# Allegro board LAY-31407_C2.brd (continued)
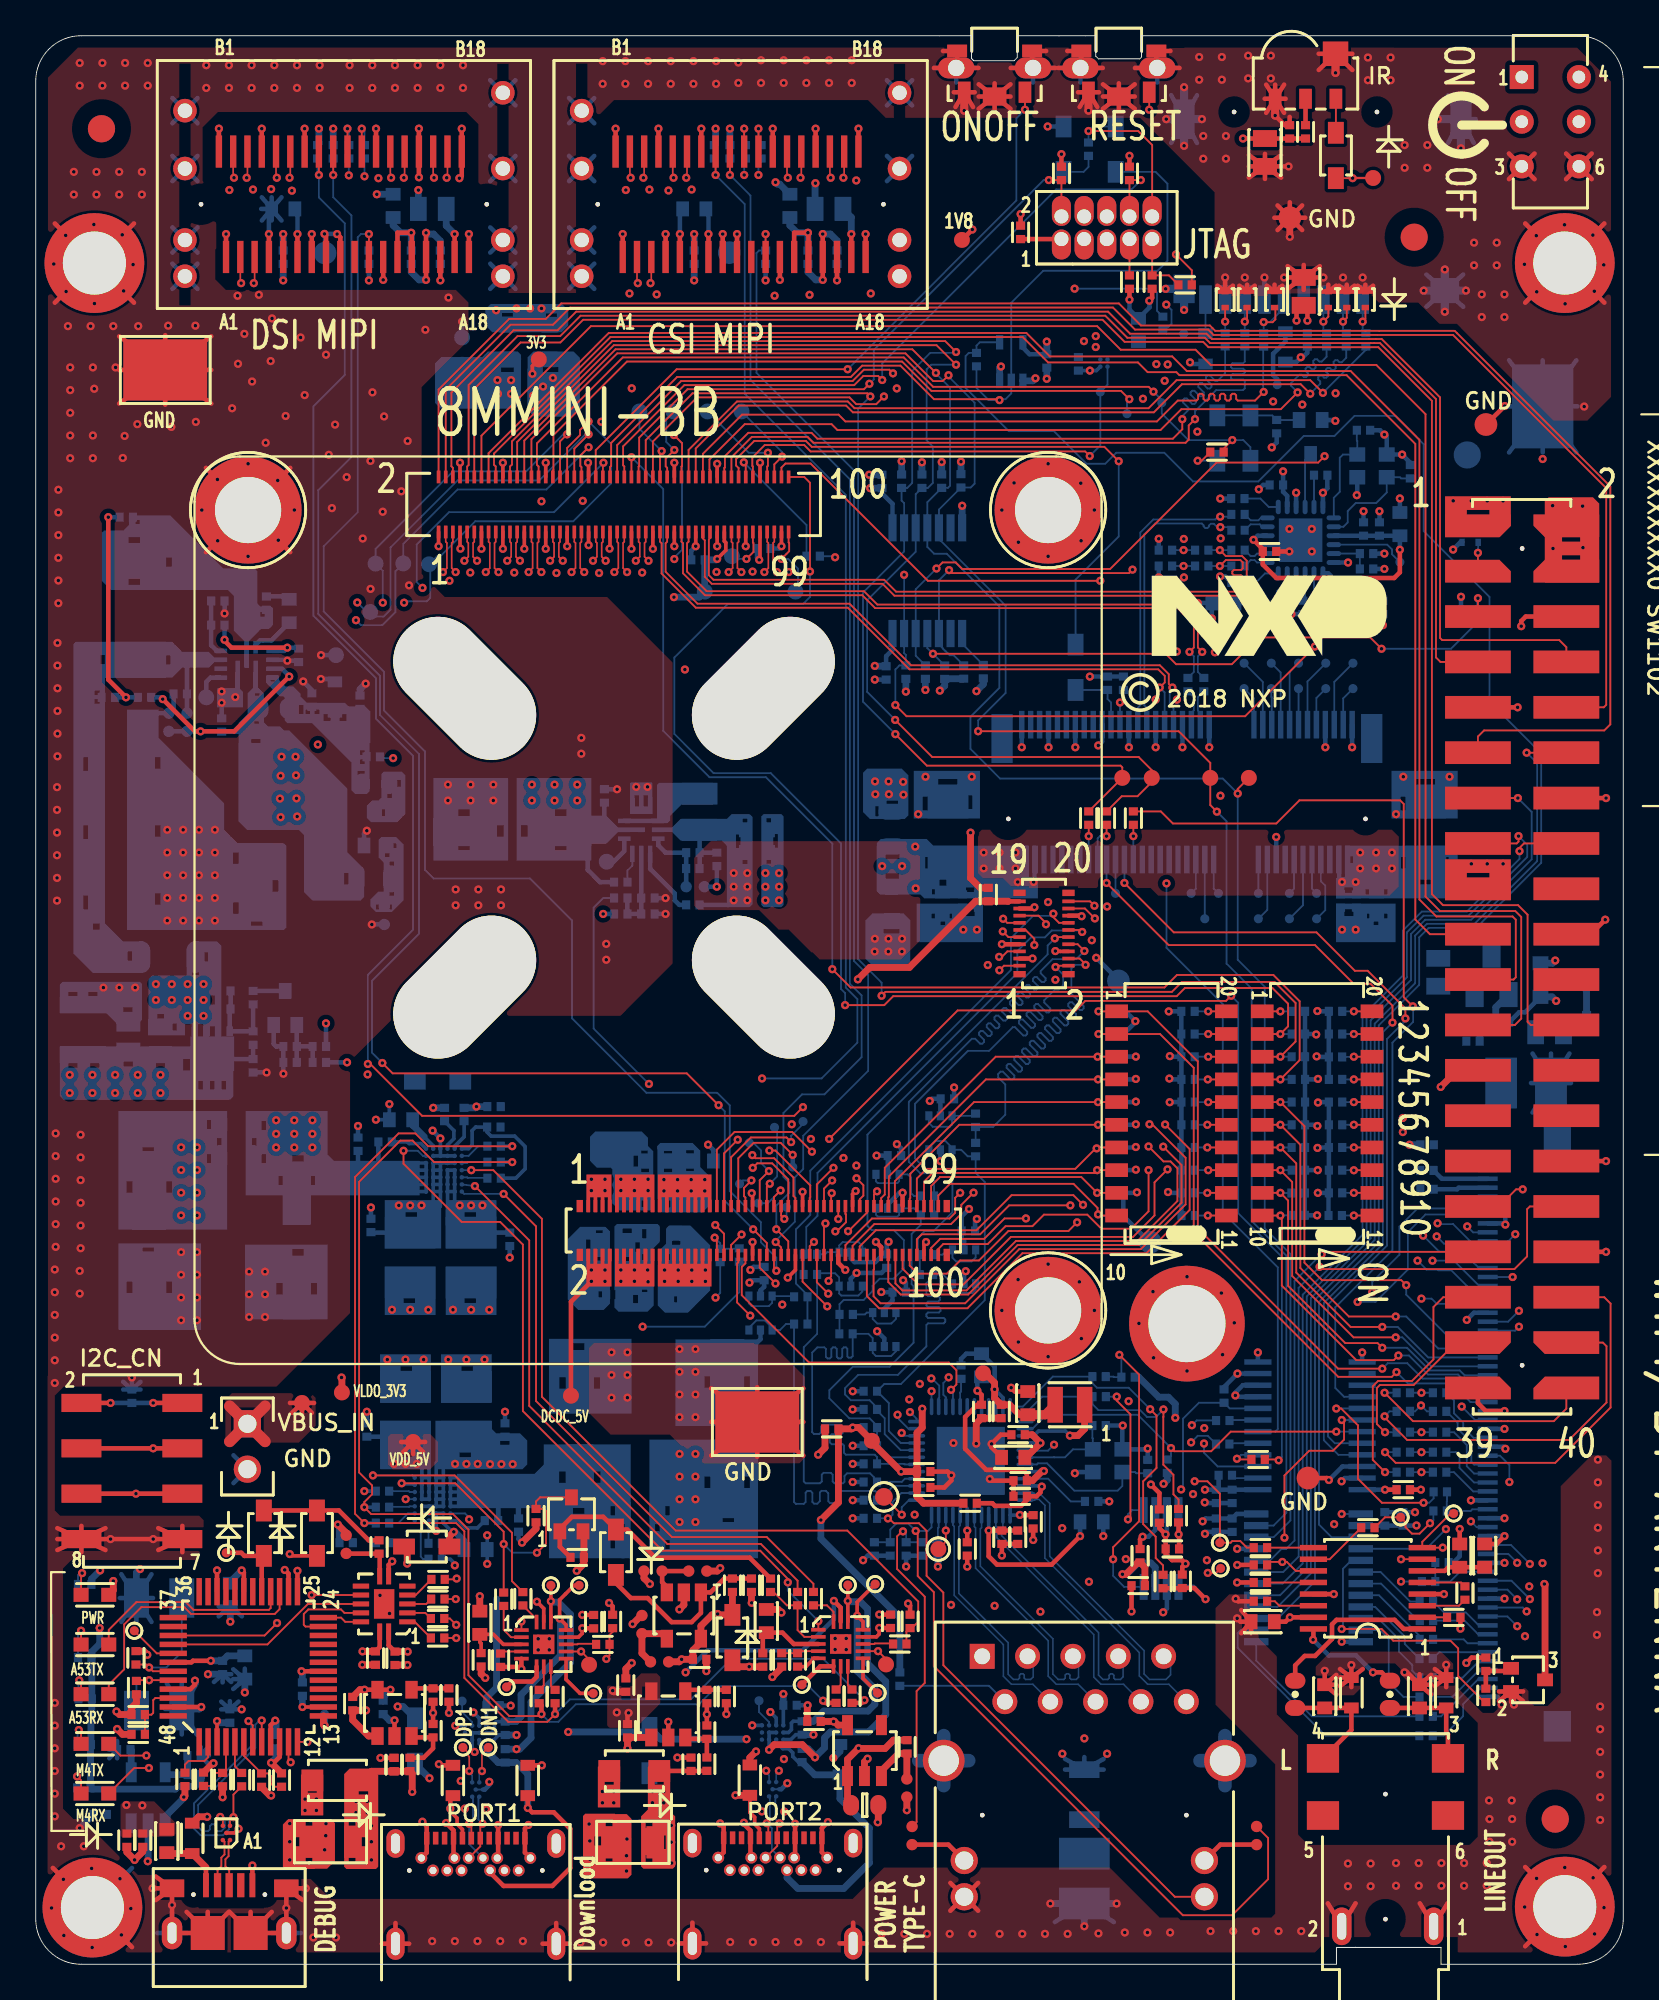
[diagram p0: board, top side]
## Routing (per net, layer and track width the routed paths; a pad name or vN(x,y) marks a point on that pad's centre or on a via; arc(x,y) is an arc through that point) (continued)
  BOTTOM w0.102: R531.1 50.31,43 R539.1 50.3,44.18 50.2,44.28 49.53,44.28 48.89,44.92 48.89,48.27 52.42,51.81 52.61,51.81 52.88,51.53 53.01,51.53 53.1,51.62 53.1,51.75 52.82,52.02 52.82,52.15 52.91,52.24 53.04,52.24 53.32,51.96 53.44,51.96 53.53,52.05 53.53,52.18 53.26,52.45 53.26,52.58 53.35,52.67 53.47,52.67 53.75,52.39 53.87,52.39 53.96,52.48 53.96,52.61 53.69,52.88 53.69,53.01 53.78,53.1 53.9,53.1 54.18,52.82 54.3,52.82 54.39,52.91 54.39,53.04 54.12,53.32 54.12,53.44 54.21,53.53 54.33,53.53 54.61,53.26 54.73,53.26 54.82,53.35 54.82,53.47 54.55,53.75 54.55,53.87 54.64,53.96 54.77,53.96 55.04,53.69 55.17,53.69 55.26,53.78 55.26,53.9 54.98,54.18 54.98,54.3 55.07,54.39 55.2,54.39 55.47,54.12 55.6,54.12 55.69,54.21 55.69,54.33 55.41,54.61 55.41,54.74 55.5,54.83 55.63,54.83 55.9,54.55 56.03,54.55 56.12,54.64 56.12,54.77 55.84,55.04 55.84,55.17 55.93,55.26 56.06,55.26 56.33,54.98 56.46,54.98 56.55,55.07 56.55,55.2 56.27,55.47 56.27,55.6 56.94,56.26 58.27,56.26 v1(58.72,56.72)
ENET_RD0_BUFIN: length 24.1
  BOTTOM w0.102: U501.31 47.76,28.38 R517.1 R516.1 47.11,30.14 46.7,30.56 45.56,30.56 44.44,31.68 44.44,32.13 45.76,33.45 47.81,33.45 49.16,34.79 49.16,37.96 49.05,38.07 49.05,40.88 49.56,41.4 R531.2 49.18,42.32 U502.1 48.35,41.95 48.25,41.85 47.15,41.85 47.05,41.95 U502.3
ENET_RD1: length 31.5
  TOP w0.102: v1(57.07,57.43) 57.14,57.5 J203.10
  BOTTOM w0.102: v1(57.07,57.43) 56.66,57.02 56.66,56.53 46.57,46.44 46.57,41.34 46.82,41.09 48.06,41.09 48.62,40.53 48.62,38.95 48.03,38.37 47.26,38.37 46.86,37.98 46.86,37.68 46.36,37.18 45.25,37.18 45.01,36.95 R540.1 45.01,35.3 R532.1
ENET_RD1_BUFIN: length 24
  BOTTOM w0.102: U501.30 48.67,27.98 48.64,28.01 R518.1 47.11,28.4 46.98,28.52 45.36,28.52 45.26,28.63 45.26,29.03 45.19,29.11 44.57,29.11 44.47,29.21 44.47,29.57 44.57,29.67 45.11,29.67 45.19,29.74 45.19,30.1 45.09,30.2 44.08,30.2 43.98,30.1 43.98,29.78 43.88,29.68 43.58,29.68 43.48,29.78 43.48,34.24 43.78,34.53 44.16,34.53 44.25,34.44 44.25,34 44.34,33.91 44.46,33.91 44.55,34 44.55,34.44 44.64,34.53 44.77,34.53 44.86,34.44 44.86,34 44.95,33.91 45.07,33.91 45.16,34 45.16,34.44 45.25,34.53 45.37,34.53 45.45,34.45 45.45,34.03 45.52,33.96 45.66,33.96 45.75,34.04 R532.2 46.63,35.29 46.87,35.05 U504.3 46.87,34.22 47.05,34.04 47.9,34.04 48.17,34.32 U504.1
ENET_RD2: length 28
  TOP w0.102: J203.12 58.49,57.9 v1(58.6,57.79)
  BOTTOM w0.102: R533.1 43,38.61 R541.1 43.15,39.88 43.15,41.27 43.78,41.9 43.78,44.3 54.97,55.49 54.97,56.71 55.74,57.48 56.51,57.48 56.89,57.87 58.52,57.87 v1(58.6,57.79)
ENET_RD2_BUFIN: length 24
  BOTTOM w0.102: U501.28 48.67,27.18 48.5,27.01 47.12,27.01 R522.1 46.93,27.17 46.93,27.27 46.72,27.48 45.44,27.48 45.29,27.33 45.29,27 45.21,26.92 44.73,26.92 44.63,27.03 44.63,27.41 44.53,27.51 44.12,27.51 44.02,27.41 44.02,27.03 43.92,26.92 43.11,26.92 43.01,27.03 43.01,34.54 43.76,35.29 43.76,37.87 43.75,37.87 R533.2 43.82,38.68 44.76,38.68 44.99,38.45 U503.3 44.99,37.55 45.11,37.43 46.06,37.43 46.29,37.66 U503.1
ENET_RD3: length 31
  TOP w0.102: J203.14 57.3,58.3 56.98,58.61 v1(56.98,58.81)
  BOTTOM w0.102: R534.1 43.22,37.36 R543.1 43.22,37.46 42.57,38.11 42.57,41.14 43.37,41.94 43.37,44.42 54.61,55.66 54.61,57.45 55.85,58.69 56.86,58.69 v1(56.98,58.81)
ENET_RD3_BUFIN: length 24
  BOTTOM w0.102: U505.3 39.93,35.62 40.36,36.04 40.83,36.04 41.23,35.63 U505.1 41.68,35.5 42.01,35.84 R534.2 42.47,25.87 42.57,25.77 43.01,25.77 43.11,25.87 43.11,26.4 43.21,26.49 43.39,26.49 43.49,26.39 43.49,25.88 43.59,25.78 43.77,25.78 43.91,25.92 43.91,26.41 44,26.5 44.25,26.5 44.38,26.37 44.38,25.92 44.48,25.82 44.73,25.82 44.82,25.9 44.82,26.32 44.99,26.49 47.01,26.49 47.11,26.39 R524.1 47.57,25.98 47.79,26.2 47.79,26.53 48.04,26.78 U501.27
ENET_RX_CTL: length 30.9
  TOP w0.102: J203.2 57.18,55.9 v1(57.11,55.82)
  BOTTOM w0.102: v1(57.11,55.82) 57.53,55.4 57.53,54.8 57.3,54.56 57.08,54.56 56.48,53.96 56.48,53.84 56.81,53.5 56.81,53.37 56.73,53.28 56.6,53.28 56.13,53.75 56.01,53.75 55.92,53.66 55.92,53.53 56.38,53.06 56.38,52.94 56.29,52.85 56.17,52.85 55.7,53.32 55.57,53.32 55.49,53.23 55.49,53.1 55.95,52.63 55.95,52.51 55.86,52.42 55.74,52.42 55.27,52.89 55.14,52.89 55.05,52.8 55.05,52.67 55.52,52.2 55.52,52.08 55.43,51.99 55.31,51.99 54.84,52.45 54.71,52.45 53.39,51.13 52.2,51.13 49.24,48.16 49.24,45.11 49.84,44.51 51.01,44.51 51.33,44.18 51.33,42.09 50.28,41.04 49.78,41.04 49.4,40.66 49.4,39.83 R544.1 49.51,39.71 R535.1
ENET_RX_CTL_BUFIN: length 24
  BOTTOM w0.102: U501.32 48.44,28.78 47.54,29.67 47.54,30.56 47.11,30.99 R521.1 47.11,31.15 46.69,31.57 45.64,31.57 45.32,31.89 45.32,32.25 46.06,32.99 48.28,32.99 49.88,34.59 49.88,35.78 49.96,35.87 50.84,35.87 50.93,35.96 50.93,36.09 50.84,36.18 49.96,36.18 49.88,36.27 49.88,36.39 49.96,36.48 50.58,36.48 50.67,36.57 50.67,36.7 50.58,36.79 49.96,36.79 49.88,36.88 49.88,37 49.96,37.09 50.54,37.09 50.63,37.18 50.63,37.31 50.54,37.4 49.96,37.4 49.88,37.49 49.88,38.12 50.26,38.5 R535.2 50.82,38.6 U507.3 51.34,37.7 51.46,37.57 52.45,37.57 52.64,37.76 U507.1
ENET_RXC: length 28.8
  TOP w0.102: J203.4 58.46,56.3 58.79,55.97 v1(58.79,55.94)
  BOTTOM w0.102: R530.1 52.63,46.86 R542.1 53.6,46.87 54.29,47.56 54.29,49.25 53.89,49.65 53.89,49.83 54.03,49.97 54.15,49.97 54.58,49.53 54.71,49.53 54.8,49.62 54.8,49.75 54.37,50.18 54.37,50.31 54.46,50.4 54.58,50.4 55.02,49.96 55.14,49.96 55.23,50.05 55.23,50.18 54.8,50.61 54.8,50.74 54.89,50.83 55.02,50.83 55.45,50.4 55.57,50.4 55.66,50.49 55.66,50.61 55.23,51.04 55.23,51.17 55.32,51.26 55.45,51.26 55.88,50.83 56,50.83 56.09,50.92 56.09,51.04 55.66,51.48 55.66,51.6 55.75,51.69 55.88,51.69 56.31,51.26 56.44,51.26 56.53,51.35 56.53,51.47 56.09,51.91 56.09,52.03 56.18,52.12 56.31,52.12 56.74,51.69 56.87,51.69 56.96,51.78 56.96,51.91 56.52,52.34 56.52,52.46 56.61,52.55 56.74,52.55 57.17,52.12 57.3,52.12 57.39,52.21 57.39,52.34 56.96,52.77 56.96,52.89 57.05,52.98 57.17,52.98 57.6,52.55 57.73,52.55 57.82,52.64 57.82,52.77 57.39,53.2 57.39,53.33 57.48,53.42 57.6,53.42 58.03,52.98 58.16,52.98 58.25,53.07 58.25,53.2 57.82,53.63 57.82,53.76 57.91,53.85 58.03,53.85 58.47,53.42 58.59,53.42 58.68,53.5 58.68,53.63 57.99,54.32 57.99,55.74 58.2,55.94 v1(58.79,55.94)
ENET_RXC_BUFIN: length 24.1
  BOTTOM w0.102: U501.33 48.44,29.18 47.77,29.85 47.77,31.41 R523.1 47.52,32.48 48.45,32.48 53.14,37.17 53.14,43.79 52.63,44.3 R530.2 52.18,45.23 51.82,45.59 U506.1 51.31,45.71 50.94,46.08 50.39,46.08 50.01,45.7 U506.3
ENET_SD: length 1.6
  BOTTOM w0.102: R509.2 51.82,32.06 51.76,32 U501.41
ENET_TD0: length 31.7
  TOP w0.102: J203.9 54.47,57.5 v1(54.15,57.81)
  L6_IN2 w0.127: v1(54.15,57.81) 54.74,57.23 54.74,54.91 54.31,54.48 54.31,41.65 48.47,35.82 48.47,31.39 v1(48.96,30.91)
  BOTTOM w0.102: v1(48.96,30.91) 49.33,30.54 U501.36
ENET_TD1: length 30.1
  TOP w0.102: J203.11 55.43,57.9 55.92,57.41 v1(55.92,57.05)
  L6_IN2 w0.127: v1(50.16,32.08) 50.68,32.59 50.68,36.08 55.98,41.38 55.98,54.94 55.37,55.55 55.37,56.5 v1(55.92,57.05)
  BOTTOM w0.102: U501.37 v1(50.16,32.08)
ENET_TD2: length 30.9
  TOP w0.102: J203.13 54.4,58.3 v1(54.17,58.52)
  L6_IN2 w0.127: v1(54.17,58.52) 54.99,57.7 54.99,40.87 50.15,36.03 v1(50.15,32.79)
  BOTTOM w0.102: U501.38 50.56,31.69 50.6,31.72 50.6,32.39 50.19,32.79 v1(50.15,32.79)
ENET_TD3: length 31.2
  TOP w0.102: v1(56.57,58.21) 56.57,58.28 56.16,58.7 J203.15
  L6_IN2 w0.127: v1(56.57,58.21) 56.36,58 56.36,41.1 51.12,35.87 v1(51.12,32.86)
  BOTTOM w0.102: v1(51.12,32.86) 51.12,32.84 50.83,32.54 50.83,31.88 50.96,31.74 U501.39
ENET_TX_CTL: length 31.1
  TOP w0.102: J203.1 54.22,55.9 v1(53.96,55.64)
  L6_IN2 w0.127: v1(48.49,29.74) 47.56,30.67 47.56,35.95 53.24,41.63 53.24,54.91 v1(53.96,55.64)
  BOTTOM w0.102: v1(48.49,29.74) 48.49,29.68 48.59,29.58 U501.34
ENET_TXC: length 31.3
  TOP w0.102: v1(53.95,56.39) 54.1,56.39 54.41,56.7 J203.5
  L6_IN2 w0.127: v1(48.26,30.76) 48.08,30.93 48.08,35.94 53.8,41.65 53.8,54.43 54.41,55.04 54.41,55.85 53.95,56.31 v1(53.95,56.39)
  BOTTOM w0.102: U501.35 48.87,29.98 48.35,30.5 48.35,30.67 v1(48.26,30.76)
ENET_VDDH_2V5: length 14.6
  TOP w0.254: R501.2 53.57,25.81 53.71,25.66 55.17,25.66 55.5,25.99 C502.1 56.04,26.19 56.26,26.42 56.26,26.66 v1(56.34,26.74)
  L3_IN1 w0.254: v1(56.34,26.74) 56.34,25.18 54.66,23.49 51.75,23.49 v1(50.52,22.26)
  BOTTOM w0.203: v1(56.34,26.74) 56.3,26.78 U501.10
  BOTTOM w0.381: R519.2 v1(50.52,22.26)
ENET_VDDIO: length 49.6
  TOP w0.381: v1(43.97,24.87) 44.95,25.85 R502.1 45.68,29.97 v1(45.75,30.04) 46.08,30.04 TP503.1 46.82,29.22 v1(48.46,27.58) C504.1 ; C504.1 C505.1 49.35,26.17 49.71,25.81 R501.1 ; C504.1 49.35,29.75 49.64,30.04 v1(49.64,31.1)
  L6_IN2 w0.381: v1(49.64,31.1) 58.67,31.1 60.29,29.47 62.69,29.47 v1(63.81,30.59)
  BOTTOM w0.203: U501.29 v1(48.46,27.58)
  BOTTOM w0.254: R516.2 v1(45.75,30.04)
  BOTTOM w0.381: R508.1 61.77,32.87 62.89,31.74 63.43,31.74 63.81,31.36 v1(63.81,30.59) ; R503.1 48.39,19.41 43.97,23.83 v1(43.97,24.87)
ENET_WOL: length 18.3
  TOP w0.102: J202.46 39.74,39.23 39.54,39.03 39.54,37.45 43.31,33.68 51.13,33.68 51.56,33.25 51.56,32.45 v1(51.26,32.16)
  BOTTOM w0.102: v1(51.26,32.16) 51.36,32.05 U501.40
ENET_XTLI: length 8.4
  BOTTOM w0.102: U501.7 56.07,27.98 56.13,28.04 56.63,28.04 58.17,26.51 60.58,26.51 60.85,26.77 Y501.3 61.56,27.55 61.62,27.49 C519.1
ENET_XTLO: length 5.3
  BOTTOM w0.102: C518.1 59.17,29.46 59.19,29.43 Y501.1 58.08,28.82 57.64,28.38 57.02,28.38 57.02,28.38 U501.6
ETH_TRX0_N: length 16.2
  BOTTOM w0.089: J501.10 63.45,15.67 62.26,15.67 61.8,16.14 61.8,17.45 56.52,22.73 56.52,25.68 56.18,26.02 55.98,26.02 55.94,25.98 U501.12
ETH_TRX0_P: length 16.3
  BOTTOM w0.089: J501.9 63.55,16.85 63.55,16.2 63.29,15.94 62.37,15.94 62.06,16.25 62.06,17.56 56.78,22.84 56.78,25.79 56.29,26.29 55.98,26.29 55.89,26.38 U501.11
ETH_TRX1_N: length 14.5
  BOTTOM w0.089: U501.15 53.76,24.52 53.82,24.46 53.82,23.88 59.25,18.45 59.25,16.08 59.65,15.67 60.91,15.67 J501.8
ETH_TRX1_P: length 14.5
  BOTTOM w0.089: J501.7 60.89,16.97 60.89,16.09 60.74,15.94 60.45,15.94 60.37,16.02 60.37,16.18 60.3,16.26 60.19,16.26 60.11,16.18 60.11,16.02 60.03,15.94 59.76,15.94 59.51,16.19 59.51,18.57 54.09,23.99 54.09,24.42 54.16,24.5 U501.14
ETH_TRX2_N: length 14
  BOTTOM w0.089: J501.6 58.37,15.67 57.15,15.67 56.7,16.13 56.7,18.11 52.63,22.17 52.63,24.43 52.56,24.5 U501.18
ETH_TRX2_P: length 14
  BOTTOM w0.089: U501.17 52.96,24.44 52.9,24.37 52.9,22.28 56.96,18.22 56.96,16.24 57.26,15.94 57.57,15.94 57.65,16.02 57.65,16.18 57.72,16.26 57.83,16.26 57.91,16.18 57.91,16.02 57.99,15.94 58.27,15.94 58.39,16.07 58.39,16.92 J501.5
ETH_TRX3_N: length 13.4
  BOTTOM w0.089: U501.21 51.36,24.58 51.43,24.52 51.43,20.65 54.19,17.89 54.19,16.12 54.64,15.67 55.83,15.67 J501.4
ETH_TRX3_P: length 13.4
  BOTTOM w0.089: U501.20 51.76,24.56 51.7,24.49 51.7,20.76 54.45,18 54.45,16.23 54.75,15.94 55.01,15.94 55.09,16.02 55.09,16.18 55.17,16.26 55.28,16.26 55.35,16.18 55.35,16.02 55.43,15.94 55.71,15.94 55.85,16.08 55.85,16.92 J501.3
EX_POR_B: length 107.3
  BOTTOM w0.102: U204.4 52.87,90.79 52.68,90.6 R210.2 52.25,90.2 52.07,90.02 52.07,88.24 54.49,85.82 57.02,85.82 58.84,83.99 59.89,83.99 60.51,84.61 63.2,84.61 64.8,83 68.46,83 71.01,85.55 72.73,85.55 73.85,86.67 76.13,86.67 77.72,85.08 77.72,80.23 81.41,76.54 81.41,70.68 84.3,67.78 84.3,61.65 80.66,58.01 78,58.01 77.47,57.48 77.47,54.82 75.21,52.56 75.21,40.42 71.86,37.07 71.86,24.61 72.56,23.91 U201.3
EXP_IO0: length 4
  BOTTOM w0.102: U201.6 75.31,21.96 76.96,20.3 R1019.2
EXP_IO1: length 4.2
  BOTTOM w0.102: U201.7 75.34,21.31 77.41,19.23 R1020.2
EXP_IO2: length 4.4
  BOTTOM w0.102: U201.8 75.22,20.66 77.5,18.37 R1021.2
EXP_IO3: length 4.7
  BOTTOM w0.102: R1022.2 76.66,17.93 76.66,18.34 75,20.01 U201.9
EXP_IO4: length 5.3
  BOTTOM w0.102: R1023.2 77.08,16.44 77.08,16.74 77.05,16.77 77.05,16.78 76.34,17.5 76.34,18.2 75.18,19.36 U201.10
EXP_IO5: length 6.3
  BOTTOM w0.102: R1024.2 76.59,14.97 75.77,15.79 75.77,18.21 75.27,18.71 U201.11
EXP_IO6: length 11.5
  BOTTOM w0.102: R1025.2 71.46,13.88 68.34,17 U201.13
EXP_IO7: length 14.1
  BOTTOM w0.102: R1026.2 72.23,12.79 67.31,17.71 67.31,18.54 67.47,18.71 U201.14
EXP_IO8: length 59.7
  TOP w0.102: J1003.12 v1(83.49,67.82)
  BOTTOM w0.102: U201.15 69.57,19.36 69.6,19.38 69.6,19.4 71.63,21.43 71.63,37.2 74.98,40.54 74.98,52.65 77.24,54.91 77.24,57.58 77.9,58.24 80.57,58.24 84.07,61.75 84.07,67.23 v1(83.49,67.82)
EXP_IO9: length 56.4
  TOP w0.102: J1003.13 v1(83,65.28)
  BOTTOM w0.102: U201.16 69.54,20.01 71.4,21.88 71.4,37.29 74.75,40.64 74.75,52.83 77.01,55.09 77.01,57.67 77.81,58.47 80.39,58.47 83.77,61.85 83.77,64.51 v1(83,65.28)
EXP_IO10: length 53.9
  TOP w0.102: J1003.15 82.93,62.74 83.03,62.84 v1(83.03,63.15)
  BOTTOM w0.102: v1(83.03,63.15) 83.52,62.66 83.52,61.98 80.24,58.7 77.71,58.7 76.78,57.77 76.78,55.25 74.52,52.98 74.52,40.73 71.18,37.39 71.18,22.15 69.68,20.66 U201.17
EXP_IO11: length 52.4
  TOP w0.102: v1(83.09,62.31) 83.09,62.49 83.34,62.74 J1003.16
  BOTTOM w0.102: v1(83.09,62.31) 83.09,61.87 80.14,58.92 77.62,58.92 76.56,57.86 76.56,55.34 74.3,53.08 74.3,40.83 70.95,37.48 70.95,22.43 69.82,21.31 U201.18
EXP_IO12: length 36.3
  TOP w0.102: J1003.32 83.67,42.42 83.52,42.27 83.52,39.62 82.8,38.91 72.02,38.91 v1(71.89,39.04)
  BOTTOM w0.102: U201.19 69.85,21.96 70.72,22.82 70.72,37.86 v1(71.89,39.04)
EXP_IO13: length 28.1
  TOP w0.102: v1(72.01,39.74) 72.15,39.88 J1003.33
  BOTTOM w0.102: U201.20 69.11,22.61 69.75,23.24 70.01,23.24 70.49,23.72 70.49,38.25 71.98,39.74 v1(72.01,39.74)
EXP_IO14: length 32.7
  TOP w0.102: v1(83.27,43.38) 82.9,43.38 81.94,42.42 J1003.31
  L3_IN1 w0.127: v1(83.27,43.38) 84.76,41.88 84.76,26.8 82.42,24.46 81.36,24.46 80.62,23.72 79.6,23.72 v1(78.97,24.36)
  BOTTOM w0.102: v1(78.97,24.36) 77.87,23.26 U201.4
EXT_PWREN: length 88.3
  TOP w0.102: v1(73.13,18.77) 75.37,18.77 76.02,18.11 79.22,18.11 79.65,17.68 79.65,16.13 81.11,14.68 R1032.1
  L3_IN1 w0.127: v1(34.34,49.28) 34.73,48.88 34.73,37.27 37.92,34.08 37.92,30.23 47.37,20.78 64.54,20.78 66.55,18.77 v1(73.13,18.77)
  BOTTOM w0.102: R114.1 31.78,59.68 31.24,59.15 31.24,52.37 v1(34.34,49.28) ; U201.5 73.67,22.61 73.2,22.14 73.2,18.84 v1(73.13,18.77)
FRS_EN1: length 8.7
  TOP w0.102: U303.1 v1(27.2,19.19)
  L3_IN1 w0.127: v1(24.27,24.91) 24.66,24.51 24.66,21.72 v1(27.2,19.19)
  BOTTOM w0.102: U302.B6 24.04,25.23 24.27,25.01 v1(24.27,24.91)
FRS_EN2: length 42.3
  TOP w0.102: v1(20.6,45.53) 20.6,44.81 23.85,41.55 26.01,41.55 27.28,40.28 27.28,30.96 35.1,23.15 40.57,23.15 42.12,21.57 v1(42.12,21.38) ; U306.1 v1(43.83,19.21)
  BOTTOM w0.102: v1(43.83,19.21) 42.12,20.91 v1(42.12,21.38) ; U305.B6 21.68,45.25 21.39,45.53 v1(20.6,45.53)
FT_NPWREN: length 2.7
  TOP w0.102: TP915.1 5.52,18.66 6.78,17.4 U901.41
FT_NRXLED1: length 12.3
  TOP w0.102: U901.12 v1(15.22,12.45) ; D902.C 4.74,11.68 v1(6.2,11.68)
  L3_IN1 w0.127: v1(15.22,12.45) 14.96,12.19 6.71,12.19 v1(6.2,11.68)
FT_NRXLED2: length 11.7
  TOP w0.102: U901.28 13.16,19.94 13.05,19.84 8.84,19.84 8.41,20.27 5.64,20.27 4.09,18.72 D906.C
FT_NSLEEP1: length 13.3
  TOP w0.203: v1(14.22,22.96) 14.33,22.86 D909.A
  TOP w0.381: U901.13 16.11,13.43 v1(16.18,13.36)
  L3_IN1 w0.203: v1(16.18,13.36) 16.18,21.23 14.45,22.96 v1(14.22,22.96)
  BOTTOM w0.381: TP913.1 v1(16.18,13.36)
FT_NSLEEP2: length 4.2
  TOP w0.254: TP914.1 11.51,23.03 11.68,22.86 D910.A 12.77,22.45 12.66,22.33 U901.29
FT_NTXLED1: length 12.6
  TOP w0.102: v1(14.28,11.31) 14.28,11.35 14.16,11.47 U901.11 ; D903.C 5.52,10.99 v1(6.34,10.99)
  L3_IN1 w0.127: v1(6.34,10.99) 7.26,11.91 13.67,11.91 v1(14.28,11.31)
FT_NTXLED2: length 14.6
  TOP w0.102: U901.27 13.66,19.88 13.39,19.61 8.7,19.61 8.32,19.99 5.92,19.99 4.95,19.02 4.95,16.51 4.09,15.65 D905.C
FT_USB_DM: length 12.3
  TOP w0.102: U902.C2 10.48,8.1 v1(10.33,8.25) ; U901.8 v1(12.66,13.65)
  BOTTOM w0.102: v1(12.66,13.65) 12.53,13.65 12.29,13.41 12.29,12.12 9.09,8.92 9.09,7.69 9.33,7.45 9.65,7.45 9.75,7.55 9.75,7.74 9.86,7.84 10.02,7.84 10.08,7.77 10.08,7.55 10.19,7.45 10.39,7.45 10.59,7.65 10.59,8.15 10.49,8.25 v1(10.33,8.25)
FT_USB_DP: length 14.2
  TOP w0.102: U901.7 12.16,13.37 v1(11.91,13.61) ; U902.C1 10.88,8.04 v1(11.07,8.23) 11.07,9.5 R925.1
  BOTTOM w0.102: v1(11.91,13.61) 12.06,13.46 12.06,12.21 8.86,9.01 8.86,7.59 9.24,7.22 10.49,7.22 10.82,7.55 10.82,7.98 v1(11.07,8.23)
FT_VCCOUT_3V3: length 3.8
  TOP w0.102: R927.1 13.35,9.94 13.16,10.13 13.16,10.54 13.02,10.68 C920.2 11.65,11.68 U901.6
FTDI_NPOR: length 3.5
  TOP w0.102: U901.4 10.65,10.9 R924.2 10,10.71 9.93,10.64 9.93,10.11 9.8,9.98 C909.1
FTDI_NRSTOUT: length 1.9
  TOP w0.102: R925.2 11.15,11.09 U901.5
FTDIA_RX: length 5.1
  TOP w0.102: U904.12 17.29,19.67 17.09,19.86 15.27,19.86 15.01,19.61 15.01,19 15.11,18.9 U901.23
FTDIA_TX: length 2.2
  TOP w0.102: U904.13 17.33,19.17 17.1,19.4 U901.24
FTDIB_RX: length 11.4
  TOP w0.102: v1(13.51,19.1) 12.82,18.4 U901.39 ; U904.10 v1(15.45,20.67)
  L3_IN1 w0.127: v1(13.51,19.1) 15.08,20.67 v1(15.45,20.67)
FTDIB_TX: length 11.4
  TOP w0.102: U904.11 15.24,20.17 12.98,17.9 U901.40
GPIO1_IO15: length 2.8
  TOP w0.102: v1(38.02,40.67) 38.14,40.55 J202.38
  BOTTOM w0.102: v1(38.02,40.67) 38.33,40.36 R217.1 39.37,40.05 R219.2
I2C2_SCL: length 118.1
  TOP w0.102: v1(48.14,68.86) 49.9,67.09 60.74,67.09 60.85,66.99 TP210.1 60.84,66.41 R631.2 ; v1(51.54,90.25) 50.93,90.86 32.28,90.86 26.67,85.25 26.67,83.95 26.56,83.84 J201.22
  L3_IN1 w0.127: v1(51.54,90.25) 51.54,99.48 47.62,103.4 34.83,103.4 33.07,101.64 19.7,101.64 18.41,100.35 v1(18.41,100.08)
  BOTTOM w0.102: R810.2 v1(18.41,100.08) ; v1(51.54,90.25) 51.49,90.2 50.09,90.2 49.08,89.19 49.08,82.92 48.8,82.64 R201.2 48.49,81.93 48.63,81.79 U203.2 48.63,79.08 46.33,76.78 46.33,70.67 v1(48.14,68.86)
I2C2_SCL_3V3: length 157.8
  TOP w0.102: v1(26.68,45.79) 21.98,45.79 21.26,46.51 20.32,46.51 17.88,44.07 17.88,25.22 v1(18.4,24.7) 23.54,24.7 24,24.24 24,16.03 26.46,13.57 28.65,13.57 v1(29.08,14) ; v1(71.63,73.76) 67.72,69.86 48.76,69.86 v1(48.14,70.48)
  TOP w0.254: v1(46.41,14.78) 46.25,14.63 R309.1 ; R302.1 v1(29.08,14)
  L3_IN1 w0.127: v1(26.68,45.79) 29.3,48.41 29.3,60.89 32,63.6 32,70.12 37.46,75.58 37.46,79.38 37.97,79.88 46.91,79.88 48.63,78.16 v1(48.63,77.77)
  BOTTOM w0.102: v1(48.14,70.48) 48.14,72.47 48.37,72.7 R202.2 48.73,73.3 48.63,73.39 U203.13 v1(48.63,77.77) ; v1(71.63,73.76) 71.83,73.97 R612.1 ; v1(46.41,14.78) 44.09,17.09 38.95,17.09 36.68,14.83 29.91,14.83 v1(29.08,14)
  BOTTOM w0.203: R305.1 v1(18.4,24.7) ; R311.1 v1(26.68,45.79)
I2C2_SDA: length 121.3
  TOP w0.102: v1(48.13,69.65) 50.2,67.58 61.76,67.58 62.5,66.84 TP211.1 62.5,66.18 61.7,65.38 60.81,65.38 R630.2 ; v1(51.54,89.53) 50.44,90.63 32.37,90.63 26.96,85.21 J201.24
  L3_IN1 w0.127: v1(51.54,89.53) 51.98,89.98 51.98,99.4 47.72,103.66 34.55,103.66 32.79,101.9 19.17,101.9 17.53,100.26 v1(17.53,100.13)
  BOTTOM w0.102: v1(51.54,89.53) 50.15,89.53 49.89,89.28 49.89,85.3 50.24,84.96 50.24,82.92 49.96,82.64 R205.2 49.28,82.29 U203.3 49.28,79.07 46.56,76.35 46.56,71.22 v1(48.13,69.65) ; R808.2 v1(17.53,100.13)
I2C2_SDA_3V3: length 163.7
  TOP w0.102: v1(28.32,14) 28.21,13.89 26.52,13.89 24.23,16.18 24.23,24.33 23.37,25.2 18.79,25.2 v1(18.4,25.58) 18.4,25.87 18.83,26.3 18.83,26.8 18.11,27.53 18.11,43.8 20.42,46.11 21.1,46.11 22.31,44.9 v1(26.68,44.9) ; v1(72.17,84.42) 71.81,84.06 66.12,84.06 60.17,78.1 51.89,78.1 51.52,78.47 50.78,78.47 v1(50.44,78.13)
  TOP w0.254: R310.1 44.21,14.63 v1(44.09,14.75) ; v1(28.32,14) 28.32,14.48 R303.1
  L3_IN1 w0.127: v1(26.68,44.9) 26.24,45.35 26.24,46.13 29.05,48.94 29.05,62.7 31.12,64.77 31.12,69.7 36.52,75.1 36.52,79.56 37.22,80.26 48.3,80.26 v1(50.44,78.13) ; v1(70.32,75.58) 72.64,77.9 72.64,83.94 v1(72.17,84.42)
  BOTTOM w0.102: v1(28.32,14) 28.75,13.57 29.26,13.57 30.25,14.56 37.14,14.56 38.15,15.57 43.27,15.57 v1(44.09,14.75) ; v1(50.44,78.13) 49.28,76.97 U203.12 49.28,73.25 R206.2
  BOTTOM w0.203: R308.1 v1(18.4,25.58) ; R312.1 v1(26.68,44.9)
  BOTTOM w0.254: R613.1 v1(70.32,75.58)
I2C3_SCL: length 137.3
  TOP w0.102: TP212.1 67.31,65.79 v1(67.31,65.53) ; J201.26 27.36,85.29 32.47,90.4 49.09,90.4 v1(50.41,89.08)
  L3_IN1 w0.127: v1(50.41,89.08) 50.7,89.37 50.7,99.6 48.7,101.6 41.92,101.6 v1(40.47,100.16)
  BOTTOM w0.102: v1(50.41,89.08) 50.41,89.04 51.2,88.25 51.2,82.76 51.08,82.64 R203.2 49.93,81.84 U203.4 49.93,79.33 50.31,78.95 51.01,78.95 53.96,76.01 53.96,71.45 52.34,69.83 52.34,68.03 54,66.37 66.47,66.37 v1(67.31,65.53) 67.31,56.23 68.82,54.72 68.82,41.2 70.26,39.76 70.26,24.84 69.32,23.91 U201.22 ; R809.2 40.47,100.92 v1(40.47,100.16)
I2C3_SCL_3V3: length 218
  TOP w0.102: v1(75.36,73.63) 74.73,74.27 68.48,74.27 66.98,72.77 63.86,72.77 63.27,73.35 v1(50.24,73.35) ; J1003.5 v1(80.76,76.47)
  TOP w0.254: J1004.4 v1(6.58,28.88) J1004.3
  L3_IN1 w0.127: v1(6.58,28.88) 6.58,26.52 5.4,25.34 5.4,11.09 10.14,6.34 14.79,6.34 15.45,5.68 17.56,5.68 19.61,3.63 45.67,3.63 47.6,5.56 47.6,15.16 51.69,19.26 65,19.26 66.89,17.36 80.72,17.36 83.11,19.75 v1(83.49,19.75) 83.76,19.75 85.88,21.87 85.88,71.35 v1(80.76,76.47)
  BOTTOM w0.102: U203.11 49.93,73.67 v1(50.24,73.35) R204.2 ; J1001.50 83.27,19.97 v1(83.49,19.75) ; v1(75.36,73.63) 79.25,73.63 80.71,75.1 D1001.C 80.71,76.42 v1(80.76,76.47)
I2C3_SDA: length 136.2
  TOP w0.102: v1(51.11,88.94) 50.79,88.62 50.26,88.62 48.7,90.17 32.56,90.17 27.76,85.37 J201.28 ; v1(66.14,64.52) 65.77,64.88 TP213.1 65.77,67.25 64,69.02 v1(52.77,69.02)
  L3_IN1 w0.127: v1(51.11,88.94) 51,89.06 51,99.66 48.81,101.85 41.37,101.85 v1(39.67,100.16)
  BOTTOM w0.102: v1(52.77,69.02) 52.77,69.62 54.31,71.16 54.31,76.05 50.58,79.78 U203.5 50.58,81.43 R207.2 52.36,82.66 52.58,82.88 52.58,87.41 51.11,88.87 v1(51.11,88.94) ; v1(39.67,100.16) 39.67,101 R807.2 ; v1(66.14,64.52) 66.68,63.97 66.68,56.01 68.09,54.6 68.09,41.6 70.03,39.66 70.03,25.28 69.31,24.56 U201.23
I2C3_SDA_3V3: length 224.5
  TOP w0.102: J1003.3 v1(80.76,79.01) ; v1(51.15,78.04) 51.31,77.87 61.22,77.87 v1(61.42,78.06)
  TOP w0.254: J1004.6 v1(5.61,26.34) J1004.5
  L3_IN1 w0.127: v1(5.61,26.34) 5.14,25.87 5.14,10.93 11.07,5.01 17.34,5.01 19.3,3.05 46.05,3.05 48.16,5.16 48.16,15.16 51.87,18.87 64.59,18.87 67.57,15.9 79.93,15.9 v1(82.96,18.92) 83.29,18.92 86.36,21.99 86.36,73.66 81.01,79.01 v1(80.76,79.01) 80.28,79.01 75.54,74.27 65.21,74.27 61.41,78.06 v1(61.42,78.06)
  BOTTOM w0.102: v1(80.76,79.01) 80.77,79.02 D1002.C ; R208.2 51.4,73.27 51.18,73.27 50.93,73.52 50.92,73.52 50.8,73.64 50.8,73.66 50.58,73.88 U203.10 50.58,77.47 v1(51.15,78.04) ; J1001.51 82.41,19.47 v1(82.96,18.92)
ILIM_5V_VBUS1: length 2.5
  TOP w0.254: TP312.1 26.67,15.82 27.79,15.82 28.05,16.08 U303.6
ILIM_5V_VBUS2: length 2.2
  TOP w0.254: U306.6 43.93,16.68 TP314.1
IOEXP_NINT: length 43.3
  TOP w0.102: J202.44 39.34,39.29 39.27,39.23 39.27,37.05 v1(40.01,36.31)
  L3_IN1 w0.127: v1(73.13,25.21) 72.93,25.41 61.36,25.41 58.65,28.12 47.29,28.12 45.94,29.47 45.56,29.47 40.01,35.02 v1(40.01,36.31)
  BOTTOM w0.102: U201.1 v1(73.13,25.21)
IR_CAP: length 84.9
  TOP w0.102: v1(39.53,40.85) 38.94,40.26 J202.42 ; v1(73.74,99.98) D709.A
  TOP w0.127: TP702.1 73.75,99.99 v1(73.74,99.98)
  L3_IN1 w0.127: v1(73.74,99.98) 73.74,98.71 70.32,95.29 66.36,95.29 65.48,94.41 65.48,92.71 64.68,91.9 58.95,91.9 58.12,91.07 58.12,87.48 53.33,82.69 53.33,78.12 51,75.79 49.25,75.79 46.38,72.93 46.38,56.04 46.87,55.55 46.87,50.99 44.3,48.42 42.63,48.42 39.53,45.32 v1(39.53,40.85)
JTAG_NTRST: length 102
  TOP w0.102: v1(47.37,54.21) 47.58,54.43 63.62,54.43 64.18,54.98 69.37,54.98 70.55,53.81 70.55,51.65 v1(69.7,50.8) SW1101.3 ; v1(46.74,87.76) 46.56,87.93 36.78,87.93 34.16,85.32 J201.60 ; v1(63.85,95.71) 64.74,94.82 R923.2
  L3_IN1 w0.127: v1(46.74,87.76) 47.18,87.31 51.07,87.31 58.5,94.74 62.89,94.74 v1(63.85,95.71)
  BOTTOM w0.102: R1108.1 v1(69.7,50.8) ; v1(47.37,54.21) 47.37,54.94 46.05,56.26 46.05,87.07 v1(46.74,87.76)
JTAG_TCK: length 36.9
  TOP w0.102: v1(47.5,87.76) 47.07,87.33 45.95,87.33 45.57,87.71 37.03,87.71 34.56,85.23 J201.62
  L3_IN1 w0.127: v1(47.5,87.76) 51.13,87.76 55.83,92.45 55.83,98.24 56.97,99.39 58.08,99.39 58.71,98.76 J902.4
JTAG_TDI: length 40.3
  TOP w0.102: v1(61.88,99.87) R918.2 J902.8 ; J201.54 32.96,83.84 32.89,83.9 32.89,84.96 36.32,88.39 45.83,88.39 46.34,88.9 47.18,88.9 v1(47.4,88.68)
  BOTTOM w0.102: v1(61.88,99.87) 61.36,99.35 57.15,99.35 47.4,89.6 v1(47.4,88.68)
JTAG_TDO: length 41.8
  TOP w0.102: J201.52 32.56,85.04 36.14,88.62 45.74,88.62 46.38,89.26 47.8,89.26 v1(48.01,89.05)
  L3_IN1 w0.127: J902.6 59.98,98.81 58.45,100.35 56.4,100.35 54.56,98.51 54.56,91.72 51.34,88.5 48.56,88.5 v1(48.01,89.05)
JTAG_TMS: length 34.8
  TOP w0.102: v1(46.69,88.47) 46.38,88.16 36.5,88.16 33.79,85.45 33.79,83.87 33.76,83.84 J201.58 ; v1(56.73,99.87) R917.2 J902.2
  BOTTOM w0.102: v1(46.69,88.47) 46.93,88.71 46.93,90.36 56.44,99.87 v1(56.73,99.87)
LD1_I2C_SCL: length 1.7
  BOTTOM w0.102: U302.B1 20.85,25.23 20.31,24.7 R305.2
LD1_I2C_SDA: length 1.5
  BOTTOM w0.102: R308.2 19.81,25.6 20.91,25.6 20.94,25.63 U302.C1
LD1_NINT: length 18.9
  TOP w0.102: v1(31.95,17.09) 32.13,17.27 R340.2 32.13,18.43 32.31,18.61 R345.2
  L3_IN1 w0.127: v1(20.72,26.04) 23.89,26.04 25.73,24.2 25.73,21.88 29.34,18.27 29.34,18.06 30.45,16.95 31.81,16.95 v1(31.95,17.09)
  BOTTOM w0.102: U302.D1 v1(20.72,26.04)
